# KiCad board alpha-curISO.kicad_pcb (continued)
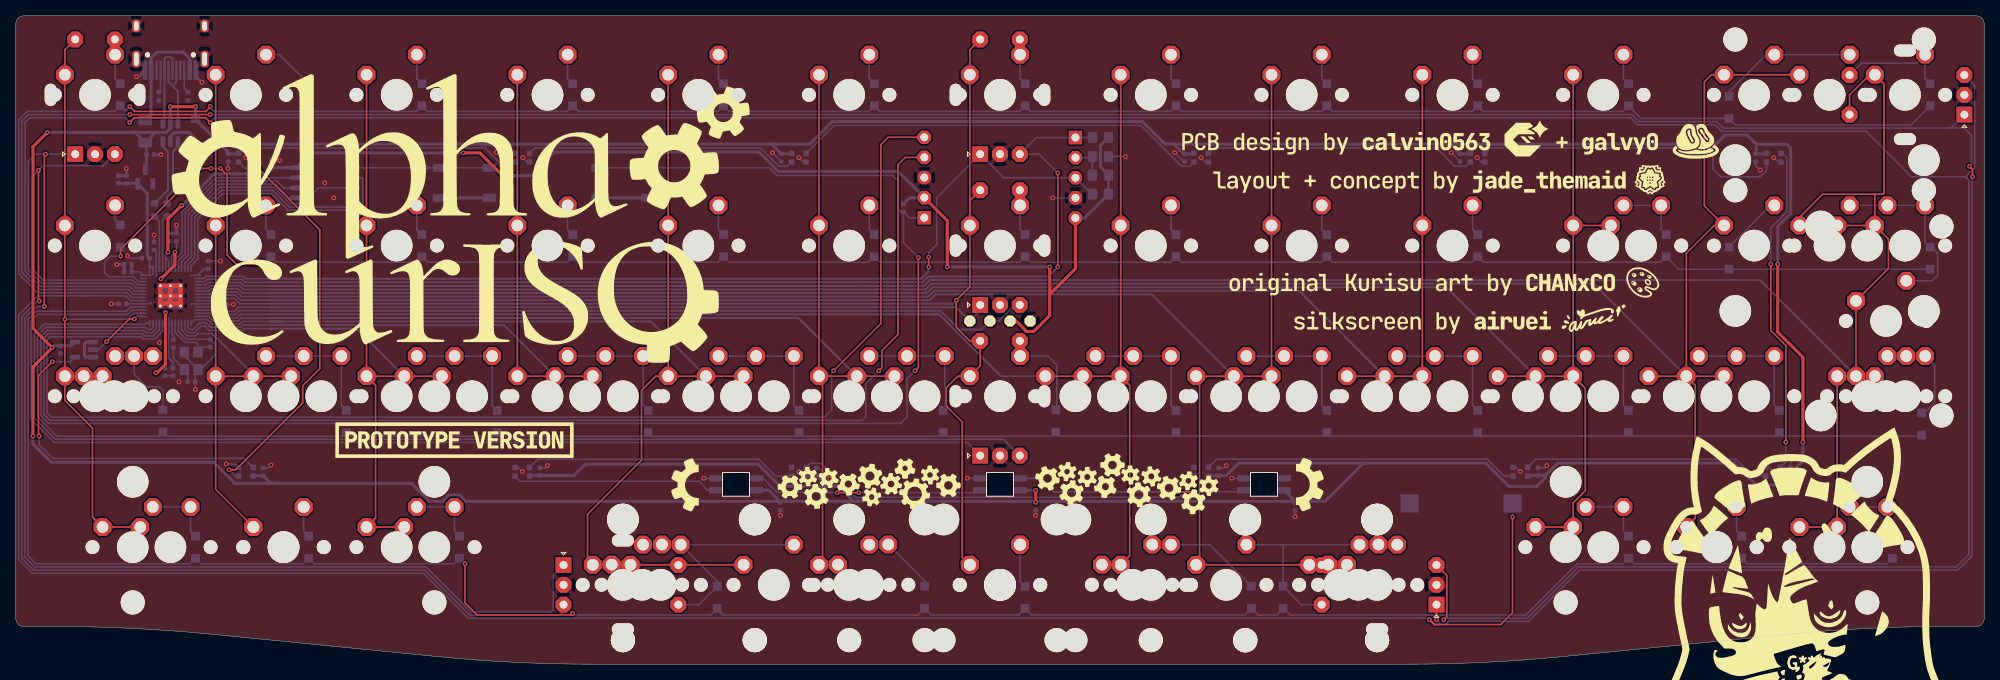
[diagram p0: board, top side]
## Routing (per net, layer and track width the routed paths; a pad name or vN(x,y) marks a point on that pad's centre or on a via; arc(x,y) is an arc through that point) (continued)
SD1: length 35.2
  Bottom w0.2: U1.55 21.73,50.5 22.59,51.37 22.59,56.52 25.93,59.86 32.43,59.86 34.54,57.75 43.7,57.75 43.85,57.9 43.85,61.33 43.72,61.46 42.62,61.46
SD2: length 30.7
  Bottom w0.2: U2.3 38.26,60.19 36.23,58.15 34.7,58.15 32.6,60.26 25.77,60.26 22.19,56.68 22.19,51.54 21.33,50.67 U1.54
SD3: length 23.8
  Bottom w0.2: 35.42,61.46 25.27,61.46 20.99,57.18 20.99,52.06 20.12,51.19 U1.51
SDA: length 102.1
  Bottom w0.2: 32.52,45.09 28.12,45.09 27.59,44.56 25.43,44.56 24.86,45.13 U1.11
  Bottom w0.25: 32.87,45.09 32.08,45.09 ; 32.87,45.09 32.52,45.09 ; 32.87,45.09 118.75,45.09 OL1.1 121.8,44.67 SW_rotary4.A
SWCLK: length 167.2
  Top w0.2: v1(103.28,37.07) 109.25,43.04 109.25,65.65 110.17,66.57 J1.5
  Bottom w0.2: v1(103.28,37.07) 103.03,36.82 103.03,32.12 102.12,31.21 4.5,31.21 3.94,31.76 3.94,40.99 4.31,41.35 15.83,41.35 16.1,41.08 17.55,41.08 18.52,42.06 U1.24
SWD: length 167.3
  Top w0.2: J1.4 112.33,64.03 111.41,63.11 111.41,41.64 109.38,39.61 109.38,37.45 v1(109,37.07)
  Bottom w0.2: v1(109,37.07) 107.35,35.42 107.35,31.23 106.92,30.81 4.32,30.81 3.54,31.58 3.54,41.19 4.11,41.75 15.99,41.75 16.27,41.48 17.38,41.48 18.12,42.22 U1.25
XTAL_IN: length 7.5
  Bottom w0.2: C2.2 23.63,40.07 Y1.3 22.99,40.45 22.78,40.66 21.36,40.66 20.12,41.89 U1.20
XTAL_OUT: length 2.2
  Bottom w0.2: R7.2 19.94,41.06 19.94,41.47 19.73,41.68 U1.21
Net-(D2-A): length 2.7
  Bottom w0.2: D2.2 12.54,56.12 SW14.2
Net-(D3-A): length 14
  Bottom w0.2: 14.94,38.93 14.94,36.64 16.54,35.04 18.19,35.04 18.57,34.66 D3.2 ; 12.54,38.91 17.3,38.91
Net-(D4-A): length 8.7
  Bottom w0.2: D4.2 22.07,16.82 SW39(1.5)1.2 SW39.2
Net-(D5-A): length 6.9
  Bottom w0.2: D5.2 33.31,77.01 SW2.2
Net-(D6-A): length 3.9
  Bottom w0.2: D6.2 31.59,54.92 SW15.2
Net-(D7-A): length 16.6
  Bottom w0.2: D7.2 41.12,32.69 41.12,38.91 31.59,38.91
Net-(D8-A): length 3.9
  Bottom w0.2: SW40.2 36.35,16.82 D8.2
Net-(D9-A): length 3.9
  Bottom w0.2: D9.2 50.64,73.97 SW3.2
Net-(D10-A): length 3.9
  Bottom w0.2: SW16.2 50.64,54.92 D10.2
Net-(D11-A): length 16.6
  Bottom w0.2: 50.64,38.91 60.16,38.91 60.16,32.69 D11.2
Net-(D12-A): length 8.7
  Bottom w0.2: D12.2 55.4,16.82 SW41.2 SW41(1.5)1.2
Net-(D13-A): length 3.9
  Bottom w0.2: SW4.2 69.69,73.97 D13.2
Net-(D14-A): length 3.9
  Bottom w0.2: SW17.2 69.69,54.92 D14.2
Net-(D15-A): length 16.6
  Bottom w0.2: D15.2 79.22,32.69 79.22,38.91 69.69,38.91
Net-(D16-A): length 3.9
  Bottom w0.2: SW5.2 88.74,73.97 D16.2
Net-(D17-A): length 3.9
  Bottom w0.2: D17.2 88.74,54.92 SW18.2
Net-(D18-A): length 16.6
  Bottom w0.2: 88.74,38.91 98.27,38.91 98.27,32.69 D18.2
Net-(D20-A): length 3.9
  Bottom w0.2: SW6.2 107.79,73.97 D20.2
Net-(D21-A): length 3.9
  Bottom w0.2: D21.2 107.79,54.92 SW19.2
Net-(D22-A): length 16.5
  Bottom w0.2: 117.31,38.91 117.31,32.25 D22.2 ; SW32(ortho)1.2 SW32(1.5stagger)1.2
Net-(D23-A): length 9.6
  Bottom w0.2: SW43(2)1.2 110.17,15.1 SW43(1.75)1.2 114.78,10.52 D23.2
Net-(D24-A): length 5.5
  Bottom w0.2: SW44(4)1.2 126.84,10.47 D24.2
Net-(D27-A): length 3.9
  Bottom w0.2: SW8.2 145.89,73.97 D27.2
Net-(D28-A): length 3.9
  Bottom w0.2: D28.2 145.89,54.92 SW21.2
Net-(D29-A): length 16.6
  Bottom w0.2: 136.36,38.91 145.89,38.91 145.89,32.69 D29.2
Net-(D30-A): length 14.7
  Bottom w0.2: SW45(1.75)1.2 145.88,15.11 SW45(2)1.2 150.78,15.1 D30.2
Net-(D31-A): length 3.9
  Bottom w0.2: D31.2 164.94,73.97 SW9.2
Net-(D32-A): length 3.9
  Bottom w0.2: SW22.2 164.94,54.92 D32.2
Net-(D33-A): length 16.6
  Bottom w0.2: 155.41,38.91 164.94,38.91 164.94,32.69 D33.2
Net-(D35-A): length 3.9
  Bottom w0.2: SW10.2 183.99,73.97 D35.2
Net-(D36-A): length 3.9
  Bottom w0.2: SW23.2 183.99,54.92 D36.2
Net-(D37-A): length 16.6
  Bottom w0.2: 174.47,38.91 183.99,38.91 183.99,32.69 D37.2
Net-(D38-A): length 3.9
  Bottom w0.2: D38.2 203.04,73.97 SW11.2
Net-(D39-A): length 8.7
  Bottom w0.2: SW24.2 SW24(1.5)1.2 207.8,54.92 D39.2
Net-(D40-A): length 16.6
  Bottom w0.2: 193.51,38.91 203.04,38.91 203.04,32.69 D40.2
Net-(D41-A): length 8.7
  Bottom w0.2: 198.28,19.86 SW47(1.5)1.2 203.04,16.82 D41.2
Net-(D42-A): length 17.8
  Bottom w0.2: 216.38,71.75 216.38,72.31 221.07,77.01 SW12.2 SW12(2)1.2
Net-(D43-A): length 7.9
  Bottom w0.2: SW25.2 221.64,57.96 D43.2
Net-(D44-A): length 16.6
  Bottom w0.2: 212.56,38.91 222.09,38.91 222.09,32.69 D44.2
Net-(D45-A): length 3.9
  Bottom w0.2: SW48.2 217.33,16.82 D45.2
Net-(D47-A): length 23.4
  Bottom w0.2: SW26(2)1.2 SW26.2 241.14,53.33 D47.2 241.96,52.7 242.73,51.93 242.73,49.15 242.02,48.44 SW26(ISO)1.2
Net-(D48-A): length 13.3
  Bottom w0.2: 236.38,38.91 241.14,38.91 242.35,37.71 242.35,33.01 241.08,31.74 D48.2
Net-(D49-A): length 8.7
  Bottom w0.2: SW49(1.5)1.2 236.38,19.86 236.38,16.82 D49.2
Net-(J2-Pin_2): length 4.6
  Bottom w0.2: J2.2 135.84,64 UR1.1 135.96,64.12 C18.2
Net-(LED1-DOUT): length 29.1
  Top w0.2: v1(106.46,21.67) 103.75,21.67 v1(103.74,21.66)
  Bottom w0.2: LED2.4 121.45,21.67 v1(106.46,21.67) ; v1(103.74,21.66) 103.7,21.7 96.17,21.7 94.4,23.47 LED1.2
Net-(LED2-DOUT): length 29
  Top w0.2: v1(146.76,21.78) 148.78,21.78 v1(148.79,21.79)
  Bottom w0.2: v1(148.79,21.79) 154.91,21.79 LED3.4 ; LED2.2 129.46,23.47 131.15,21.78 v1(146.76,21.78)
Net-(LED4-DOUT): length 34.5
  Bottom w0.2: LED5.3 97.47,62.94 96.33,62.94 94.04,65.22 65.56,65.22 LED4.1
Net-(LED5-DOUT): length 52.8
  Bottom w0.2: LED6.3 148.28,62.94 147.21,62.94 142.09,68.06 103.32,68.06 LED5.1
Net-(LED6-DOUT): length 34.5
  Bottom w0.2: LED7.3 183.19,62.94 181.72,62.94 179.43,65.22 151.29,65.22 LED6.1
Net-(LED7-DOUT): length 40.1
  Bottom w0.2: LED8.3 221.11,62.38 220.31,61.58 215.3,61.58 214.36,62.52 214.36,64.89 214.03,65.22 186.21,65.22 LED7.1
Net-(LED8-DOUT): length 42
  Top w0.2: v1(223.55,28.05) 223.55,40.25 221.65,42.15 v1(221.65,50.53)
  Bottom w0.2: LED8.1 223.13,64.55 223.68,64 223.68,57.14 221.65,55.11 v1(221.65,50.53) ; LED9.3 223.55,25.56 v1(223.55,28.05)
Net-(LED10-DOUT): length 50.9
  Top w0.2: v1(30.64,62.64) 38.38,54.89 38.38,37.33 36.23,35.17 36.23,33.02 27.77,24.56 v1(26.92,24.56)
  Bottom w0.2: v1(30.64,62.64) 28.94,62.64 LED11.3 ; v1(26.92,24.56) 27.73,23.76 LED10.1
Net-(LED11-DOUT): length 34.5
  Bottom w0.2: LED4.3 62.54,62.94 61.53,62.94 59.25,65.22 30.64,65.22 LED11.1
Net-(LED12-DIN): length 31.4
  Bottom w0.2: LED12.3 191.97,25.9 217.24,25.9 219.38,23.76 LED9.1
Net-(LED12-DOUT): length 39.8
  Bottom w0.2: 189.11,23.76 187.97,23.76 185.83,25.9 151.65,25.9 LED13.3
Net-(LED13-DOUT): length 52.5
  Bottom w0.2: LED14.3 100.32,25.36 101.72,25.36 106.01,21.07 146.89,21.07 148.78,22.96 LED13.1
Net-(LED14-DOUT): length 34.4
  Bottom w0.2: LED14.1 95.96,23.76 93.84,25.88 65.9,25.88 LED15.3

## Copper pours and planes (outline as drawn; the poured copper is in the pictures)
+1V1 on Bottom: 17.57,48.31 21.3,48.31 21.3,44.78 18.57,44.78 18.57,44.11 19.25,44.11 19.25,44.31 21.77,44.31 21.77,48.71 18.97,48.71 18.97,48.91 18.57,48.91 18.57,49.31 17.57,49.31
+3V3 on Top: 126.56,43.36 125.86,42.66 125.28,42.66 124.87,43.07 124.87,43.65 125.28,44.06 125.86,44.06
+3V3 on Top: 134.67,56.02 133.82,55.17 132.97,56.02 132.97,56.73 133.47,57.23 134.18,57.23 134.67,56.73
+3V3 on Top: 115.59,58.1 114.38,58.1 113.89,58.59 113.89,59.3 114.38,59.8 115.09,59.8 115.59,59.3
+3V3 on Bottom: 14.13,49.01 16.79,49.01 16.67,43.68 22.38,43.8 22.26,49.39 17.94,49.39 17.3,51.8 16.41,51.8 16.41,51.04 14.13,51.04
+3V3 on Bottom: 115.59,58.59 115.09,58.1 114.38,58.1 113.53,58.95 113.89,59.3 113.89,59.8 115.09,59.8 115.59,59.3
+3V3 on Bottom: 135.03,56.38 134.18,55.53 133.47,55.53 132.97,56.02 132.97,56.73 133.47,57.23 134.18,57.23
GND on Top, Bottom: 250.87,83.17 250.62,-4.72 -1.62,-4.84 -1.49,83.3
GND on Bottom: 134.67,58.56 134.18,58.07 133.47,58.07 132.62,58.92 133.47,59.77 134.18,59.77 134.67,59.27
COL0 on Top: 12.54,17.32 11.42,16.2 10.49,16.2 9.83,16.86 9.83,18.45 11.42,18.45
COL0 on Top: 16.84,16.86 16.18,16.2 15.25,16.2 14.12,17.32 15.25,18.45 16.18,18.45 16.84,17.79
COL0 on Top: 7.78,36.39 6.19,34.8 5.07,35.92 5.07,36.86 6.19,37.98
COL0 on Top: 7.32,54.96 6.19,53.83 5.07,54.96 5.07,55.89 6.19,57.01 7.32,55.89
COL0 on Top: 12.08,35.92 11.42,35.26 10.49,35.26 9.36,36.39 10.49,37.51 11.42,37.51 12.08,36.86
COL0 on Top: 7.91,79.93 8.5,79.35 8.5,78.52 7.91,77.93 6.5,77.93 6.5,79.35 7.09,79.93
COL0 on Top: 10.16,36.39 9.04,35.26 8.11,35.26 6.98,36.39 8.11,37.51 9.04,37.51
COL0 on Top: 7.32,74.01 6.19,72.88 5.07,74.01 5.07,74.94 6.19,76.06 7.32,74.94
COL1 on Top: 31.59,36.39 30.47,35.26 29.54,35.26 28.41,36.39 29.54,37.51 30.47,37.51
COL1 on Top: 31.1,17.85 31.15,16.92 30.53,16.22 29.6,16.17 28.9,16.8 28.82,18.39 30.41,18.47
COL1 on Top: 35.89,35.92 35.23,35.26 34.3,35.26 33.17,36.39 34.3,37.51 35.23,37.51 35.89,36.86
COL1 on Top: 31.13,16.86 30.47,16.2 29.54,16.2 28.88,16.86 28.88,18.45 30.47,18.45 31.13,17.79
COL1 on Top: 26.37,74.01 25.24,72.88 24.12,74.01 24.12,74.94 24.77,75.6 25.71,75.6 26.37,74.94
COL1 on Top: 26.37,54.96 25.24,53.83 24.12,54.96 24.12,55.89 25.24,57.01 26.37,55.89
COL1 on Top: 26.83,36.39 25.24,34.8 24.12,35.92 24.12,36.86 25.24,37.98
COL1 on Bottom: 31.13,35.92 30.47,35.26 29.54,35.26 28.88,35.92 28.88,37.51 30.47,37.51 31.13,36.86
COL2 on Top: 45.88,36.39 45.41,35.92 45.41,35.26 43.82,35.26 43.16,35.92 43.16,36.86 44.29,37.98
COL2 on Top: 45.88,17.32 44.76,16.2 43.82,16.2 43.16,16.86 43.16,17.79 43.82,18.45 45.41,18.45 45.41,17.79
COL2 on Top: 50.64,36.39 49.52,35.26 48.59,35.26 47.46,36.39 48.59,37.51 49.52,37.51
COL2 on Top: 50.18,16.86 49.52,16.2 48.59,16.2 47.46,17.32 48.59,18.45 49.52,18.45 50.18,17.79
COL2 on Top: 45.41,74.01 44.29,72.88 43.16,74.01 43.16,74.94 43.82,75.6 44.76,75.6 45.41,74.94
COL2 on Top: 54.94,35.92 54.28,35.26 53.35,35.26 52.22,36.39 53.35,37.51 54.28,37.51 54.94,36.86
COL2 on Top: 45.41,54.96 44.29,53.83 43.16,54.96 43.16,55.89 44.29,57.01 45.41,55.89
COL2 on Bottom: 50.18,35.92 49.52,35.26 48.59,35.26 47.93,35.92 47.93,37.51 49.52,37.51 50.18,36.86
COL3 on Top: 64.47,54.96 63.34,53.83 62.21,54.96 62.21,55.89 63.34,57.01 64.47,55.89
COL3 on Top: 73.99,35.92 73.33,35.26 72.4,35.26 71.27,36.39 72.4,37.51 73.33,37.51 73.99,36.86
COL3 on Top: 64.47,74.01 63.34,72.88 62.21,74.01 62.21,74.94 62.87,75.6 63.81,75.6 64.47,74.94
COL3 on Top: 69.69,36.39 68.57,35.26 67.64,35.26 66.51,36.39 67.64,37.51 68.57,37.51
COL3 on Top: 64.93,36.39 63.81,35.26 62.87,35.26 62.21,35.92 62.21,36.86 63.34,37.98
COL3 on Bottom: 69.23,35.92 68.57,35.26 67.64,35.26 66.98,35.92 66.98,37.51 68.57,37.51 69.23,36.86
COL4 on Top: 93.04,35.92 92.38,35.26 91.45,35.26 90.32,36.39 91.45,37.51 92.38,37.51 93.04,36.86
COL4 on Top: 74.46,12.56 73.33,11.44 72.4,11.44 71.74,12.09 71.74,13.03 72.4,13.69 73.33,13.69
COL4 on Top: 93.01,13.09 93.06,12.16 92.44,11.46 91.51,11.41 90.33,12.47 91.39,13.66 92.32,13.71
COL4 on Top: 83.98,36.39 82.86,35.26 81.92,35.26 80.8,36.39 82.39,37.98
COL4 on Top: 88.74,36.39 87.62,35.26 86.69,35.26 85.56,36.39 86.69,37.51 87.62,37.51
COL4 on Top: 79.22,12.56 78.09,11.44 77.16,11.44 76.04,12.56 77.16,13.69 78.09,13.69
COL4 on Top: 85.09,12.52 84.09,11.52 83.26,11.52 82.26,12.52 83.26,13.52 84.09,13.52
COL4 on Top: 76.85,12.57 75.73,11.45 74.79,11.45 73.67,12.57 74.79,13.7 75.73,13.7
COL4 on Top: 83.52,74.01 82.39,72.88 81.27,74.01 81.27,74.94 81.92,75.6 82.86,75.6 83.52,74.94
COL4 on Top: 83.52,54.96 82.39,53.83 81.27,54.96 81.27,55.89 82.39,57.01 83.52,55.89
COL4 on Bottom: 88.28,35.92 87.62,35.26 86.69,35.26 86.03,35.92 86.03,37.51 87.62,37.51 88.28,36.86
COL5 on Top: 103.03,12.56 101.91,11.44 100.97,11.44 100.31,12.09 100.31,13.03 100.97,13.69 101.91,13.69
COL5 on Top: 112.09,35.92 111.43,35.26 110.5,35.26 109.37,36.39 110.5,37.51 111.43,37.51 112.09,36.86
COL5 on Top: 103.03,36.39 101.91,35.26 100.97,35.26 100.31,35.92 100.31,36.86 101.44,37.98
COL5 on Top: 104.96,12.11 104.3,11.45 103.37,11.45 102.24,12.57 103.37,13.7 104.3,13.7 104.96,13.04
COL5 on Top: 102.56,74.01 101.44,72.88 100.31,74.01 100.31,74.94 100.97,75.6 101.91,75.6 102.56,74.94
COL5 on Top: 107.79,36.39 106.67,35.26 105.74,35.26 104.61,36.39 105.74,37.51 106.67,37.51
COL5 on Top: 102.56,54.96 101.44,53.83 100.31,54.96 100.31,55.89 101.44,57.01 102.56,55.89
COL5 on Bottom: 107.33,35.92 106.67,35.26 105.74,35.26 105.08,35.92 105.08,37.51 106.67,37.51 107.33,36.86
COL6 on Top: 122.21,41.85 122.8,41.26 122.8,40.44 121.8,39.44 120.39,40.85 121.39,41.85
COL6 on Top: 122.21,79.93 122.8,79.35 122.8,78.52 122.21,77.93 120.8,77.93 120.8,79.35 121.39,79.93
COL6 on Top: 121.61,54.96 120.49,53.83 119.36,54.96 119.36,55.89 120.49,57.01 121.61,55.89
COL6 on Top: 121.61,35.92 120.96,35.26 120.02,35.26 118.9,36.39 120.02,37.51 121.61,37.51
COL6 on Top: 122.21,60.88 122.8,60.3 122.8,59.47 122.21,58.88 120.8,58.88 120.8,60.3 121.39,60.88
COL6 on Top: 121.61,74.01 120.49,72.88 119.36,74.01 119.36,74.94 120.49,76.06 121.61,74.94
COL7 on Top: 138.76,12.57 137.64,11.45 136.71,11.45 136.05,12.11 136.05,13.04 136.71,13.7 137.64,13.7
COL7 on Top: 136.37,36.39 135.24,35.26 134.31,35.26 133.19,36.39 134.31,37.51 135.24,37.51
COL7 on Top: 140.66,74.01 139.54,72.88 138.41,74.01 138.41,74.94 139.07,75.6 140.01,75.6 140.66,74.94
COL7 on Top: 140.66,12.09 140.01,11.44 139.07,11.44 137.95,12.56 139.07,13.69 140.66,13.69
COL7 on Top: 140.66,35.26 139.07,35.26 137.95,36.39 139.54,37.98 140.66,36.86
COL7 on Top: 140.66,54.96 139.54,53.83 138.41,54.96 138.41,55.89 139.54,57.01 140.66,55.89
COL7 on Top: 131.61,36.39 130.48,35.26 129.55,35.26 128.89,35.92 128.89,36.86 129.55,37.51 130.48,37.51
COL7 on Bottom: 131.14,35.92 130.48,35.26 129.55,35.26 128.42,36.39 129.55,37.51 130.48,37.51 131.14,36.86
COL8 on Top: 163.51,12.52 164.51,13.52 165.34,13.52 166.34,12.52 165.34,11.52 164.51,11.52
COL8 on Top: 169.24,12.09 168.58,11.44 167.65,11.44 166.52,12.56 167.65,13.69 168.58,13.69 169.24,13.03
COL8 on Top: 150.65,12.65 149.59,11.46 148.66,11.41 147.97,12.03 147.92,12.96 148.54,13.66 149.47,13.71
COL8 on Top: 164.94,12.56 163.82,11.44 162.89,11.44 161.76,12.56 162.89,13.69 163.82,13.69
COL8 on Top: 159.72,35.92 159.06,35.26 158.12,35.26 157,36.39 158.59,37.98 159.72,36.86
COL8 on Top: 159.72,74.01 158.59,72.88 157.47,74.01 157.47,74.94 158.12,75.6 159.06,75.6 159.72,74.94
COL8 on Top: 155.42,36.39 154.29,35.26 153.36,35.26 152.24,36.39 153.36,37.51 154.29,37.51
COL8 on Top: 159.72,54.96 158.59,53.83 157.47,54.96 157.47,55.89 158.59,57.01 159.72,55.89
COL8 on Top: 167.34,12.57 166.21,11.45 165.28,11.45 164.16,12.57 165.28,13.7 166.21,13.7
COL8 on Top: 150.66,36.39 149.53,35.26 148.6,35.26 147.94,35.92 147.94,36.86 148.6,37.51 149.53,37.51
COL8 on Bottom: 154.95,35.92 154.29,35.26 153.36,35.26 152.7,35.92 152.7,37.51 154.29,37.51 154.95,36.86
COL9 on Top: 174.47,36.39 173.34,35.26 172.41,35.26 171.29,36.39 172.41,37.51 173.34,37.51
COL9 on Top: 169.71,36.39 168.58,35.26 167.65,35.26 166.99,35.92 166.99,36.86 167.65,37.51 168.58,37.51
COL9 on Top: 178.76,54.96 177.64,53.83 176.51,54.96 176.51,55.89 177.64,57.01 178.76,55.89
COL9 on Top: 178.76,74.01 177.64,72.88 176.51,74.01 176.51,74.94 177.17,75.6 178.11,75.6 178.76,74.94
COL9 on Top: 178.76,35.92 178.11,35.26 177.17,35.26 176.05,36.39 177.64,37.98 178.76,36.86
COL9 on Bottom: 174,35.92 173.34,35.26 172.41,35.26 171.75,35.92 171.75,37.51 173.34,37.51 174,36.86
COL10 on Top: 202.58,54.96 201.92,54.3 200.99,54.3 199.86,55.42 200.99,56.55 201.92,56.55 202.58,55.89
COL10 on Top: 197.81,74.01 196.69,72.88 195.56,74.01 195.56,74.94 196.22,75.6 197.16,75.6 197.81,74.94
COL10 on Top: 198.28,55.42 196.69,53.83 195.56,54.96 195.56,55.89 196.69,57.01
COL10 on Top: 193.52,17.32 192.39,16.2 191.46,16.2 190.8,16.86 190.8,17.79 191.46,18.45 192.39,18.45
COL10 on Top: 197.81,16.86 197.16,16.2 196.22,16.2 195.1,17.32 196.69,18.91 197.81,17.79
COL10 on Top: 193.52,36.39 192.39,35.26 191.46,35.26 190.34,36.39 191.46,37.51 192.39,37.51
COL10 on Top: 197.81,35.26 196.22,35.26 195.1,36.39 196.69,37.98 197.81,36.86
COL10 on Top: 188.76,36.39 187.63,35.26 186.7,35.26 186.04,35.92 186.04,36.86 186.7,37.51 187.63,37.51
COL10 on Bottom: 193.05,35.92 192.39,35.26 191.46,35.26 190.8,35.92 190.8,37.51 192.39,37.51 193.05,36.86
COL11 on Top: 212.1,16.86 211.44,16.2 210.51,16.2 209.85,16.86 209.85,17.79 210.51,18.45 212.1,18.45
COL11 on Top: 217.33,74.47 216.21,73.35 215.27,73.35 214.15,74.47 215.27,75.6 216.21,75.6
COL11 on Top: 207.81,36.39 206.68,35.26 205.75,35.26 205.09,35.92 205.09,36.86 205.75,37.51 206.68,37.51
COL11 on Top: 212.04,18.51 212.13,16.92 211.5,16.22 210.57,16.17 209.88,16.8 209.83,17.73 210.45,18.42
COL11 on Top: 226.39,74.01 225.73,73.35 224.8,73.35 223.67,74.47 224.8,75.6 225.73,75.6 226.39,74.94
COL11 on Top: 216.86,54.96 216.21,54.3 215.27,54.3 214.61,54.96 214.61,56.55 216.21,56.55 216.86,55.89
COL11 on Top: 216.86,35.92 216.21,35.26 215.27,35.26 214.15,36.39 215.27,37.51 216.21,37.51 216.86,36.86
COL11 on Top: 212.57,36.39 212.1,35.92 212.1,35.26 210.51,35.26 209.39,36.39 210.98,37.98
COL11 on Bottom: 212.1,35.92 211.44,35.26 210.51,35.26 209.85,35.92 209.85,37.51 211.44,37.51 212.1,36.86
COL12 on Top: 235.91,73.35 234.32,73.35 233.66,74.01 233.66,74.94 234.32,75.6 235.26,75.6 235.91,74.94
COL12 on Top: 231.15,16.86 230.49,16.2 229.56,16.2 228.44,17.32 230.03,18.91 231.15,17.79
COL12 on Top: 235.91,54.3 234.32,54.3 233.2,55.42 234.79,57.01 235.91,55.89
COL12 on Top: 231.62,36.39 230.03,34.8 228.9,35.92 228.9,36.86 229.56,37.51 230.49,37.51
COL12 on Top: 235.91,35.92 235.26,35.26 234.32,35.26 233.2,36.39 234.32,37.51 235.26,37.51 235.91,36.86
COL12 on Top: 233.53,45.43 232.41,44.31 231.28,45.43 231.28,46.36 231.94,47.02 233.53,47.02
COL12 on Top: 230.6,69.85 231.6,70.85 232.6,69.85 232.6,69.02 232.01,68.43 231.19,68.43 230.6,69.02
COL12 on Top: 226.86,17.32 225.73,16.2 224.8,16.2 224.14,16.86 224.14,17.79 224.8,18.45 225.73,18.45
COL12 on Top: 231.62,55.42 230.49,54.3 229.56,54.3 228.9,54.96 228.9,55.89 229.56,56.55 230.49,56.55
COL12 on Top: 234,36.39 232.87,35.26 231.94,35.26 230.82,36.39 232.41,37.98
COL12 on Bottom: 233.53,35.92 232.87,35.26 231.94,35.26 231.28,35.92 231.28,37.51 232.87,37.51 233.53,36.86
PD2 on Bottom: 135.03,66.54 134.18,65.69 133.47,65.69 132.62,66.54 133.47,67.39 134.18,67.39
PD2 on Bottom: 127.8,65.43 127.8,64.85 128.21,64.43 127.21,63.43 126.39,63.43 125.8,64.02 125.8,64.85 126.39,65.43
PD5 on Bottom: 122.21,65.43 122.8,64.85 122.8,63.43 120.8,63.43 120.8,64.85 121.39,65.43
PD5 on Bottom: 134.67,60.61 133.47,60.61 132.62,61.46 133.47,62.31 134.18,62.31 134.67,61.81
R1_A on Bottom: 70.18,12.11 69.59,11.52 68.18,11.52 68.18,12.93 68.76,13.52 69.59,13.52 70.18,12.93
R1_A on Bottom: 7.91,65.43 8.5,64.85 8.5,64.02 7.91,63.43 7.09,63.43 6.09,64.43 7.09,65.43
R1_B on Bottom: 12.91,65.43 13.5,64.85 13.5,64.02 12.91,63.43 11.5,63.43 11.5,64.85 12.09,65.43
R2_A on Top: 178.42,7.93 179.01,8.52 179.84,8.52 180.42,7.93 180.42,7.11 179.42,6.11 178.42,7.11
R2_A on Bottom: 245.1,69.85 245.69,70.43 246.51,70.43 247.1,69.85 247.1,69.02 246.51,68.43 245.1,68.43
R2_B on Top: 178.42,12.93 179.01,13.52 179.84,13.52 180.42,12.93 180.42,11.52 179.01,11.52 178.42,12.11
R2_B on Bottom: 245.1,74.85 245.69,75.43 246.51,75.43 247.1,74.85 247.1,73.43 245.69,73.43 245.1,74.02
R5_A on Bottom: 122.21,27.35 122.8,26.76 122.8,25.94 122.21,25.35 121.39,25.35 120.8,25.94 120.8,27.35
R5_B on Bottom: 127.21,27.35 127.8,26.76 127.8,25.94 127.21,25.35 126.39,25.35 125.8,25.94 125.8,27.35
R_col6 on Bottom: 173.69,15.11 172.56,13.99 171.63,13.99 170.51,15.11 171.63,16.24 172.56,16.24
R_col6 on Bottom: 175.59,14.63 174.93,13.98 174,13.98 172.87,15.1 174,16.23 174.93,16.23 175.59,15.57
R_col6 on Bottom: 163.51,7.52 164.51,8.52 165.34,8.52 165.92,7.93 165.92,7.11 165.34,6.52 164.51,6.52
R_col6 on Bottom: 171.29,15.1 170.17,13.98 169.24,13.98 168.11,15.1 169.24,16.23 170.17,16.23
R_col6 on Bottom: 157.01,15.1 155.88,13.98 154.95,13.98 154.29,14.63 154.29,15.57 154.95,16.23 155.88,16.23
R_row1 on Bottom: 12.91,79.93 13.5,79.35 13.5,78.52 12.5,77.52 11.5,78.52 11.5,79.35 12.09,79.93
R_row1 on Bottom: 13.66,76.55 12.54,75.42 11.41,76.55 11.41,77.48 12.54,78.6 13.66,77.48
R_row2 on Bottom: 230.6,74.85 231.19,75.43 232.6,75.43 232.6,74.02 232.01,73.43 231.19,73.43 230.6,74.02
R_row2 on Bottom: 242.27,76.55 241.14,75.42 240.67,75.89 240.02,75.89 240.02,77.48 240.67,78.14 241.61,78.14 242.27,77.48
R_row3 on Bottom: 127.97,76.55 126.84,75.42 125.72,76.55 125.72,77.48 126.84,78.6 127.97,77.48
R_row3 on Bottom: 127.21,79.93 127.8,79.35 127.8,78.52 126.8,77.52 125.8,78.52 125.8,79.35 126.39,79.93
R_row4 on Bottom: 127.97,57.5 126.84,56.37 125.72,57.5 125.72,58.43 126.84,59.55 127.97,58.43
R_row4 on Bottom: 127.21,60.88 127.8,60.3 127.8,59.47 126.8,58.47 125.8,59.47 125.8,60.3 126.39,60.88
R_row5 on Bottom: 83.2,15.11 82.08,13.99 81.14,13.99 80.02,15.11 81.14,16.24 82.08,16.24
R_row5 on Bottom: 80.81,15.1 79.68,13.98 78.75,13.98 78.09,14.63 78.09,15.57 78.75,16.23 79.68,16.23
R_row5 on Bottom: 85.09,7.52 84.09,6.52 83.26,6.52 82.68,7.11 82.68,7.93 83.26,8.52 84.09,8.52
R_row5 on Bottom: 85.57,15.1 85.1,14.63 85.1,13.98 83.51,13.98 82.39,15.1 83.51,16.23 84.44,16.23
R_row5 on Bottom: 99.39,14.63 98.73,13.98 97.8,13.98 96.67,15.1 97.8,16.23 98.73,16.23 99.39,15.57
R_row7 on Bottom: 128.43,38.93 127.31,37.8 126.37,37.8 125.72,38.46 125.72,39.4 126.84,40.52
R_row7 on Bottom: 127.21,41.85 127.8,41.26 127.8,40.44 126.8,39.44 125.8,40.44 125.8,41.26 126.39,41.85
RESET on Bottom: 115.59,56.05 115.09,55.56 114.38,55.56 113.53,56.41 114.38,57.26 115.09,57.26 115.59,56.76
SCL on Bottom: 124.02,43.36 123.32,42.66 122.33,42.66 122.33,43.65 122.74,44.06 123.32,44.06
SDA on Bottom: 121.19,43.07 120.78,42.66 120.2,42.66 119.79,43.07 119.79,44.06 121.19,44.06
SWCLK on Top: 115.59,66.21 115.09,65.72 114.38,65.72 113.53,66.57 114.38,67.42 115.09,67.42 115.59,66.92
SWD on Top: 115.59,63.67 115.09,63.18 114.38,63.18 113.53,64.03 114.38,64.88 115.09,64.88 115.59,64.38
Net-(D2-A) on Bottom: 13.66,57.5 12.54,56.37 11.41,57.5 11.41,58.43 12.07,59.09 13.01,59.09 13.66,58.43
Net-(D3-A) on Bottom: 18.43,38.46 17.77,37.8 16.84,37.8 15.71,38.93 16.84,40.05 17.77,40.05 18.43,39.4
Net-(D3-A) on Bottom: 14.13,38.93 13.01,37.8 12.07,37.8 11.41,38.46 11.41,39.4 12.07,40.05 13.01,40.05
Net-(D3-A) on Bottom: 16.51,38.93 14.92,37.34 13.33,38.93 14.46,40.05 15.39,40.05
Net-(D4-A) on Bottom: 18.89,19.86 17.77,18.74 16.84,18.74 16.18,19.4 16.18,20.33 16.84,20.99 17.77,20.99
Net-(D4-A) on Bottom: 23.19,19.4 22.07,18.27 20.47,19.86 21.6,20.99 22.53,20.99 23.19,20.33
Net-(D5-A) on Bottom: 33.18,77.01 32.06,75.89 31.12,75.89 30.47,76.55 30.47,77.48 31.12,78.14 32.06,78.14
Net-(D6-A) on Bottom: 32.72,57.5 31.59,56.37 30.47,57.5 30.47,58.43 31.12,59.09 32.06,59.09 32.72,58.43
Net-(D7-A) on Bottom: 37.94,38.93 36.82,37.8 35.89,37.8 34.76,38.93 35.89,40.05 36.82,40.05
Net-(D7-A) on Bottom: 33.18,38.93 32.06,37.8 31.12,37.8 30.47,38.46 30.47,39.4 31.12,40.05 32.06,40.05
Net-(D7-A) on Bottom: 42.24,38.46 41.12,37.34 39.52,38.93 40.65,40.05 41.58,40.05 42.24,39.4
Net-(D8-A) on Bottom: 37.48,19.4 36.35,18.27 35.23,19.4 35.23,20.33 35.89,20.99 36.82,20.99 37.48,20.33
Net-(D8-A) on Bottom: 37.48,19.4 36.35,18.27 35.23,19.4 35.23,20.33 35.89,20.99 36.82,20.99 37.48,20.33
Net-(D9-A) on Bottom: 51.77,76.55 50.64,75.42 49.52,76.55 49.52,77.48 50.17,78.14 51.11,78.14 51.77,77.48
Net-(D10-A) on Bottom: 51.77,57.5 50.64,56.37 49.52,57.5 49.52,58.43 50.17,59.09 51.11,59.09 51.77,58.43
Net-(D11-A) on Bottom: 52.23,38.93 51.11,37.8 50.17,37.8 49.52,38.46 49.52,39.4 50.17,40.05 51.11,40.05
Net-(D11-A) on Bottom: 61.29,38.46 60.16,37.34 58.57,38.93 59.7,40.05 60.63,40.05 61.29,39.4
Net-(D11-A) on Bottom: 56.99,38.93 55.87,37.8 54.94,37.8 53.81,38.93 54.94,40.05 55.87,40.05
Net-(D12-A) on Bottom: 56.53,19.4 55.4,18.27 53.81,19.86 54.94,20.99 55.87,20.99 56.53,20.33
Net-(D12-A) on Bottom: 52.23,19.86 51.11,18.74 50.17,18.74 49.52,19.4 49.52,20.33 50.17,20.99 51.11,20.99
Net-(D13-A) on Bottom: 70.81,76.55 69.69,75.42 68.56,76.55 68.56,77.48 69.22,78.14 70.16,78.14 70.81,77.48
Net-(D14-A) on Bottom: 70.81,57.5 69.69,56.37 68.56,57.5 68.56,58.43 69.22,59.09 70.16,59.09 70.81,58.43
Net-(D15-A) on Bottom: 71.28,38.93 70.16,37.8 69.22,37.8 68.56,38.46 68.56,39.4 69.22,40.05 70.16,40.05
Net-(D15-A) on Bottom: 76.04,38.93 74.92,37.8 73.99,37.8 72.86,38.93 73.99,40.05 74.92,40.05
Net-(D15-A) on Bottom: 80.34,38.46 79.22,37.34 77.62,38.93 78.75,40.05 79.68,40.05 80.34,39.4
Net-(D16-A) on Bottom: 89.87,76.55 88.74,75.42 87.62,76.55 87.62,77.48 88.27,78.14 89.21,78.14 89.87,77.48
Net-(D17-A) on Bottom: 89.87,57.5 88.74,56.37 87.62,57.5 87.62,58.43 88.27,59.09 89.21,59.09 89.87,58.43
Net-(D18-A) on Bottom: 99.39,38.46 98.27,37.34 96.67,38.93 97.8,40.05 98.73,40.05 99.39,39.4
Net-(D18-A) on Bottom: 95.09,38.93 93.97,37.8 93.04,37.8 91.91,38.93 93.04,40.05 93.97,40.05
Net-(D18-A) on Bottom: 90.33,38.93 89.21,37.8 88.27,37.8 87.62,38.46 87.62,39.4 88.27,40.05 89.21,40.05
Net-(D20-A) on Bottom: 108.91,76.55 107.79,75.42 106.66,76.55 106.66,77.48 107.32,78.14 108.26,78.14 108.91,77.48
Net-(D21-A) on Bottom: 108.91,57.5 107.79,56.37 106.66,57.5 106.66,58.43 107.32,59.09 108.26,59.09 108.91,58.43
Net-(D22-A) on Bottom: 114.14,38.93 113.02,37.8 112.09,37.8 110.96,38.93 112.09,40.05 113.02,40.05
Net-(D22-A) on Bottom: 109.38,38.93 108.26,37.8 107.32,37.8 106.66,38.46 106.66,39.4 107.32,40.05 108.26,40.05
Net-(D22-A) on Bottom: 118.44,38.46 117.31,37.34 115.72,38.93 116.85,40.05 117.78,40.05 118.44,39.4
Net-(D23-A) on Bottom: 109.38,15.1 108.26,13.98 107.32,13.98 106.66,14.63 106.66,15.57 107.32,16.23 108.26,16.23
Net-(D23-A) on Bottom: 111.31,13.99 109.72,13.99 108.59,15.11 109.72,16.24 110.65,16.24 111.31,15.58
Net-(D24-A) on Bottom: 127.97,14.63 126.84,13.51 125.72,14.63 125.72,15.57 126.37,16.23 127.31,16.23 127.97,15.57
Net-(D24-A) on Bottom: 127.97,14.63 126.84,13.51 125.72,14.63 125.72,15.57 126.37,16.23 127.31,16.23 127.97,15.57
Net-(D24-A) on Bottom: 127.94,14.64 126.84,13.54 125.74,14.64 125.74,15.56 126.38,16.2 127.3,16.2 127.94,15.56
Net-(D27-A) on Bottom: 147.01,76.55 145.89,75.42 144.76,76.55 144.76,77.48 145.42,78.14 146.36,78.14 147.01,77.48
Net-(D28-A) on Bottom: 147.01,57.5 145.89,56.37 144.76,57.5 144.76,58.43 145.42,59.09 146.36,59.09 147.01,58.43
Net-(D29-A) on Bottom: 137.96,38.93 136.83,37.8 135.9,37.8 135.24,38.46 135.24,39.4 135.9,40.05 136.83,40.05
Net-(D29-A) on Bottom: 147.01,38.46 145.89,37.34 144.3,38.93 145.42,40.05 146.36,40.05 147.01,39.4
Net-(D29-A) on Bottom: 142.72,38.93 141.59,37.8 140.66,37.8 139.54,38.93 140.66,40.05 141.59,40.05
Net-(D30-A) on Bottom: 145.11,15.11 143.99,13.99 143.06,13.99 142.4,14.65 142.4,15.58 143.06,16.24 143.99,16.24
Net-(D30-A) on Bottom: 147.48,15.1 146.36,13.98 145.42,13.98 144.3,15.1 145.42,16.23 146.36,16.23
Net-(D31-A) on Bottom: 166.06,76.55 164.94,75.42 163.81,76.55 163.81,77.48 164.47,78.14 165.41,78.14 166.06,77.48
Net-(D32-A) on Bottom: 166.06,57.5 164.94,56.37 163.81,57.5 163.81,58.43 164.47,59.09 165.41,59.09 166.06,58.43
Net-(D33-A) on Bottom: 166.06,38.46 164.94,37.34 163.35,38.93 164.47,40.05 165.41,40.05 166.06,39.4
Net-(D33-A) on Bottom: 157.01,38.93 155.88,37.8 154.95,37.8 154.29,38.46 154.29,39.4 154.95,40.05 155.88,40.05
Net-(D33-A) on Bottom: 161.77,38.93 160.64,37.8 159.71,37.8 158.59,38.93 159.71,40.05 160.64,40.05
Net-(D35-A) on Bottom: 185.11,76.55 183.99,75.42 182.86,76.55 182.86,77.48 183.52,78.14 184.46,78.14 185.11,77.48
Net-(D36-A) on Bottom: 185.11,57.5 183.99,56.37 182.86,57.5 182.86,58.43 183.52,59.09 184.46,59.09 185.11,58.43
Net-(D37-A) on Bottom: 185.11,38.46 183.99,37.34 182.4,38.93 183.52,40.05 184.46,40.05 185.11,39.4
Net-(D37-A) on Bottom: 180.82,38.93 179.69,37.8 178.76,37.8 177.64,38.93 178.76,40.05 179.69,40.05
Net-(D37-A) on Bottom: 176.06,38.93 174.93,37.8 174,37.8 173.34,38.46 173.34,39.4 174,40.05 174.93,40.05
Net-(D38-A) on Bottom: 204.16,76.55 203.04,75.42 201.91,76.55 201.91,77.48 202.57,78.14 203.51,78.14 204.16,77.48
Net-(D39-A) on Bottom: 204.63,57.96 203.51,56.84 202.57,56.84 201.91,57.5 201.91,58.43 202.57,59.09 203.51,59.09
Net-(D39-A) on Bottom: 208.93,57.5 207.8,56.37 206.21,57.96 207.34,59.09 208.27,59.09 208.93,58.43
Net-(D40-A) on Bottom: 199.87,38.93 198.74,37.8 197.81,37.8 196.69,38.93 197.81,40.05 198.74,40.05
Net-(D40-A) on Bottom: 195.11,38.93 193.98,37.8 193.05,37.8 192.39,38.46 192.39,39.4 193.05,40.05 193.98,40.05
Net-(D40-A) on Bottom: 204.16,38.46 203.04,37.34 201.45,38.93 202.57,40.05 203.51,40.05 204.16,39.4
Net-(D41-A) on Bottom: 199.87,19.86 198.74,18.74 197.81,18.74 197.15,19.4 197.15,20.33 197.81,20.99 198.74,20.99
Net-(D41-A) on Bottom: 204.16,19.4 203.04,18.27 201.45,19.86 202.57,20.99 203.51,20.99 204.16,20.33
Net-(D42-A) on Bottom: 223.68,77.01 222.56,75.89 221.62,75.89 220.97,76.55 220.97,77.48 221.62,78.14 222.56,78.14
Net-(D42-A) on Bottom: 232.74,76.55 232.08,75.89 231.15,75.89 230.02,77.01 231.15,78.14 232.08,78.14 232.74,77.48
Net-(D44-A) on Bottom: 223.22,38.46 222.09,37.34 220.5,38.93 221.62,40.05 222.56,40.05 223.22,39.4
Net-(D44-A) on Bottom: 214.16,38.93 213.03,37.8 212.1,37.8 211.44,38.46 211.44,39.4 212.1,40.05 213.03,40.05
Net-(D44-A) on Bottom: 218.92,38.93 217.79,37.8 216.86,37.8 215.74,38.93 216.86,40.05 217.79,40.05
Net-(D45-A) on Bottom: 218.45,19.4 217.33,18.27 216.2,19.4 216.2,20.33 216.86,20.99 217.79,20.99 218.45,20.33
Net-(D45-A) on Bottom: 218.45,19.4 217.33,18.27 216.2,19.4 216.2,20.33 216.86,20.99 217.79,20.99 218.45,20.33
Net-(D47-A) on Bottom: 237.97,57.96 236.84,56.84 235.91,56.84 234.79,57.96 235.91,59.09 236.84,59.09
Net-(D47-A) on Bottom: 240.35,48.44 239.22,47.31 238.29,47.31 237.63,47.97 237.63,48.9 238.29,49.56 239.22,49.56
Net-(D47-A) on Bottom: 233.21,57.96 232.08,56.84 231.15,56.84 230.49,57.5 230.49,58.43 231.15,59.09 232.08,59.09
Net-(D47-A) on Bottom: 242.27,57.5 241.14,56.37 239.55,57.96 240.67,59.09 241.61,59.09 242.27,58.43
Net-(D48-A) on Bottom: 240.35,38.93 239.22,37.8 238.29,37.8 237.17,38.93 238.29,40.05 239.22,40.05
Net-(D48-A) on Bottom: 237.97,38.93 236.84,37.8 235.91,37.8 235.25,38.46 235.25,39.4 235.91,40.05 236.84,40.05
Net-(D48-A) on Bottom: 242.27,37.8 240.67,37.8 239.55,38.93 240.67,40.05 241.61,40.05 242.27,39.4
Net-(D49-A) on Bottom: 233.21,19.86 232.08,18.74 231.15,18.74 230.49,19.4 230.49,20.33 231.15,20.99 232.08,20.99
Net-(D49-A) on Bottom: 237.5,19.4 236.38,18.27 234.79,19.86 235.91,20.99 236.84,20.99 237.5,20.33
Net-(J2-Pin_2) on Bottom: 135.03,64 134.18,63.15 133.47,63.15 132.97,63.64 132.97,64.35 133.47,64.85 134.18,64.85

Small or netless copper shapes (teardrops, artwork), in the pictures only: 72 on Top, 105 on Bottom

## Text on the board
B.Silkscreen: ortho | curiso | alpha | 1 | 1.25 | 1.5 | JLCJLCJLCJLC | A | 3 | Boot | Reset | 2 | 1.75 | 4 | 6 | C | D | E | TP | audio | B | ISO
